# Allegro board 038RT-9068CJK8E-A100_0921_1.brd (continued)
## Routing (per net, layer and track width the routed paths; a pad name or vN(x,y) marks a point on that pad's centre or on a via; arc(x,y) is an arc through that point) (continued)
SH12_P7_ISOLATEB: length 24.4
  L11_SIGNAL w0.105: v2(450.94,47.88) 450.81,48.01 442.85,48.01 441.7,49.16 438.81,49.16 438.35,49.62 438.35,52.18 UNK1K220.7
  BOTTOM w0.115: UNK1RS114.2 438.94,48.24 438.29,48.9 438.29,52.25 UNK1K220.7
SH12_P7_LANWAKEB: length 95.3
  L11_SIGNAL w0.105: UNK1K212.7 376.63,55.22 376.63,59.19 378,60.55 445.07,60.55 445.88,59.74 445.88,51.26 448.24,48.9 451.37,48.9 451.57,48.69 451.57,45.97 v2(452.21,45.34)
SH12_P7_PCIE_RESETB: length 38.7
  TOP w0.115: v2(448.02,44.07) 453.03,39.05 458.87,39.05 459.6,38.33 UNK1HOST2.14
  L11_SIGNAL w0.105: v2(448.02,44.07) 447.48,44.6 442.27,44.6 440.33,46.54 433.14,46.54 432.31,47.37 432.31,52.02 UNK1K221.7
SH12_P7_REFCLK_100M+: length 165.2
  TOP w0.105: UNK1HOST2.61 464.31,45.52 465.56,46.77 465.56,48.67 v2(465.71,48.82)
  L03_SIGNAL w0.136: v1(473.9,187.79) 473.96,187.85 arc(474.01,187.88) 474.06,187.89 475.03,187.89 arc(475.11,187.87) 475.19,187.82 475.47,187.54 arc(475.52,187.47) 475.54,187.38 475.54,185.72 arc(475.52,185.63) 475.47,185.56 455.76,165.84 arc(455.61,165.62) 455.56,165.36 455.56,79.2 arc(456.08,76.59) 457.56,74.38 460.98,70.96 arc(461.42,70.29) 461.58,69.51 461.58,51.35 arc(461.61,50.99) 461.69,50.65 arc(461.77,50.47) 461.89,50.32 464.23,47.98 464.23,47.98 464.33,47.88 arc(464.33,47.87) 464.34,47.87 464.36,47.84 arc(464.82,47.63) 465.31,47.76 arc(465.48,48.01) 465.54,48.31 465.54,48.4 arc(465.58,48.63) v2(465.71,48.82)
  BOTTOM w0.105: v1(473.9,187.79) 473.8,187.88 472.75,187.88 470.5,190.13 469.69,190.13 UNK1K214.36
SH12_P7_REFCLK_100M-: length 165.2
  TOP w0.105: UNK1HOST2.62 463.91,45.78 465.1,46.96 465.1,48.67 v2(464.95,48.82)
  L03_SIGNAL w0.136: v1(473.9,188.45) 473.96,188.39 arc(474.01,188.35) 474.06,188.34 475.03,188.34 arc(475.29,188.29) 475.51,188.14 475.79,187.86 arc(475.94,187.64) 475.99,187.38 475.99,185.72 arc(475.94,185.46) 475.79,185.24 456.08,165.52 arc(456.03,165.45) 456.01,165.36 456.01,79.2 arc(456.49,76.77) 457.88,74.7 461.3,71.28 arc(461.84,70.46) 462.03,69.51 462.03,65.96 arc(462.05,65.86) 462.11,65.77 arc(462.23,65.49) 462.11,65.21 arc(462.03,65.02) 462.11,64.82 arc(462.23,64.54) 462.11,64.26 arc(462.05,64.17) 462.03,64.07 462.03,63.93 arc(462.05,63.82) 462.11,63.74 arc(462.23,63.46) 462.11,63.17 arc(462.05,63.09) 462.03,62.98 462.03,62.84 arc(462.05,62.74) 462.11,62.65 arc(462.23,62.37) 462.11,62.09 arc(462.05,62) 462.03,61.9 462.03,61.75 arc(462.05,61.65) 462.11,61.56 arc(462.23,61.28) 462.11,61 arc(462.05,60.91) 462.03,60.81 462.03,60.67 arc(462.05,60.56) 462.11,60.48 arc(462.23,60.19) 462.11,59.91 arc(462.05,59.82) 462.03,59.72 462.03,59.58 arc(462.05,59.48) 462.11,59.39 arc(462.23,59.11) 462.11,58.83 arc(462.05,58.74) 462.03,58.63 462.03,51.35 arc(462.05,51.06) 462.12,50.78 arc(462.16,50.71) 462.21,50.64 464.65,48.2 arc(464.85,48.12) 465.04,48.2 465.12,48.28 arc(465.15,48.32) 465.16,48.37 465.16,48.58 464.95,48.82 v2(464.95,48.82)
  BOTTOM w0.105: v1(473.9,188.45) 473.8,188.35 472.94,188.35 470.69,190.6 469.69,190.6 UNK1K214.35
SH12_RSET: length 1.3
  TOP w0.115: UNK1HOST2.51 469.34,43.53 v2(469.99,44.18)
SH12_RST_INPIN: length 9.1
  TOP w0.115: v2(456.31,49.33) 457.79,47.85 457.79,44.2 459.26,42.73 UNK1HOST2.3
SH12_SJTCLK: length 51
  L05_SIGNAL w0.105: v2(429.46,16.9) 429.46,34.44 444.18,49.15 455.28,49.15 456.02,48.41 v2(456.02,47.88)
SH12_SJTDI: length 50.3
  L05_SIGNAL w0.105: v2(456.02,45.34) 455.45,45.91 455.45,48 454.99,48.46 445.22,48.46 432,35.24 v2(432,16.9)
SH12_SJTDO/LED0: length 39.8
  L05_SIGNAL w0.105: v2(453.48,45.34) 452.82,45.99 445.3,45.99 438.05,38.74 438.05,19 v2(437.08,18.03)
SH12_SJTMS: length 43.2
  L05_SIGNAL w0.105: v2(453.48,47.88) 452.82,47.22 445.35,47.22 436.23,38.1 436.23,24.24 434.54,22.54 v2(434.54,16.9)
SH12_SPICK: length 54.5
  TOP w0.115: v2(434.55,25.85) 434.54,25.86 UNK1SPIH21.6 ; UNK1HOST2.19 461.91,34.6 460.9,33.58 460.9,28.4 v2(462.24,27.05)
  L03_SIGNAL w0.145: v2(434.55,25.85) 436.03,25.85 436.38,25.5 436.38,24.73 435.94,24.29 433.78,24.29 433.44,23.95 433.44,23.41 433.76,23.1 438.65,23.1 441.6,20.14 458.12,20.14 462.24,24.26 v2(462.24,27.05)
SH12_SPICK_DBG: length 12.1
  BOTTOM w0.115: UNK1RH2192.2 468.83,18.73 468.2,19.37 465.66,19.37 462.24,22.79 UNK1RH219.1
SH12_SPICS: length 54.5
  TOP w0.115: v2(436.81,47.76) 437.09,47.49 UNK1SPIH21.1 ; v2(464.78,27.05) 463.44,28.4 463.44,33.07 463.91,33.55 UNK1HOST2.24
  L03_SIGNAL w0.145: v2(464.78,27.05) 462.02,29.82 461.04,29.82 460.26,30.6 459.28,30.6 452.18,37.7 446.87,37.7 v2(436.81,47.76)
SH12_SPICS_DBG: length 14.2
  BOTTOM w0.115: UNK1RH2243.2 471.31,20.64 466.93,20.64 464.78,22.79 UNK1RH2241.1
SH12_SPIO2: length 54.5
  TOP w0.115: v2(462.24,30.86) 461.53,31.57 461.53,33.45 462.71,34.64 UNK1HOST2.21 ; UNK1SPIH21.3 434.55,47.75 v2(434.54,47.76)
  L03_SIGNAL w0.145: v2(462.24,30.86) 461.29,31.82 461.29,33.54 461.68,33.94 461.68,36.44 460.19,37.93 460.19,39.24 457.53,41.89 444.62,41.89 441.67,44.84 441.67,46.27 439.14,48.81 435.59,48.81 v2(434.54,47.76)
SH12_SPIO3: length 54.5
  TOP w0.115: UNK1HOST2.22 463.11,34.27 462.24,33.4 v2(462.24,32.13) ; v2(435.81,21.09) 435.81,21.09 UNK1SPIH21.7
  L03_SIGNAL w0.145: v2(435.81,21.09) 435.81,21.67 436.36,22.22 438.06,22.22 441.16,19.12 458.78,19.12 465.4,25.74 465.4,28.97 v2(462.24,32.13)
SH12_SPISI: length 54.5
  TOP w0.115: UNK1SPIH21.5 433.27,25.86 v2(433.28,25.85) ; UNK1HOST2.18 461.51,34.96 460.26,33.71 460.26,27.76 v2(460.97,27.05)
  L03_SIGNAL w0.145: v2(433.28,25.85) 433.28,29.69 433.99,30.4 437.45,30.4 438.4,29.45 438.4,25.54 442.65,21.29 457.07,21.29 460.97,25.19 v2(460.97,27.05)
SH12_SPISI_DBG: length 10.4
  BOTTOM w0.115: UNK1RH2182.2 465.72,18.03 460.97,22.79 UNK1RH218.1
SH12_SPISO: length 54.5
  TOP w0.115: v2(463.51,27.05) 462.87,27.69 462.87,33.27 463.51,33.91 UNK1HOST2.23 ; v2(435.81,43.06) 435.82,43.05 UNK1SPIH21.2
  L03_SIGNAL w0.145: v2(463.51,27.05) 462.09,28.47 457.8,28.47 450.88,35.38 436.66,35.38 435.65,36.4 435.65,37.87 438.3,40.53 438.3,42.35 437.59,43.06 v2(435.81,43.06)
SH12_SPISO_DBG: length 13
  BOTTOM w0.115: UNK1RH2232.2 469.4,20 466.29,20 463.51,22.79 UNK1RH223.1
SH12_SWR_5TO1_OUT: length 2.7
  TOP w0.3: UNK1HOST2.16 457.86,37.53 v2(457.79,37.47)
  vias: v2(456.52,37.47) v2(456.52,36.19) v2(457.79,36.19)
SH12_TESTENPIN: length 9.8
  TOP w0.115: UNK1HOST2.7 459.02,41.13 457.99,42.16 456.97,42.16 455.06,44.07 v2(454.75,44.07)
  BOTTOM w0.115: UNK1RH272.2 454.88,44.2 455.38,44.7 455.38,45.76 UNK1RH271.2
SH12_USB_AVDD10: length 33.5
  TOP w0.292: 469.68,37.53 UNK1HOST2.36
  TOP w0.3: UNK1HOST2.50 469.78,43.13 v2(469.99,42.91) ; UNK1HOST2.40 469.64,39.13 v2(469.99,39.48)
  TOP w0.381: 469.96,37.53 469.68,37.53
  TOP w0.508: 469.96,37.53 471.28,37.53 471.78,38.03 471.78,38.79 472.29,39.3 v2(472.64,39.3) 472.77,39.43 474.79,39.43 484.87,29.36 484.87,22.51 486.61,20.77 SH12_USB_AVDD10.1
SH12_XTAL_IN: length 6.4
  TOP w0.115: v2(470.68,47.5) 469.29,46.1 468.34,46.1 467.51,45.28 UNK1HOST2.53
  BOTTOM w0.115: UNK1YH21.3 470.68,48.29 v2(470.68,47.5)
SH12_XTAL_OUT: length 9.4
  TOP w0.115: UNK1HOST2.54 467.11,45.64 468.21,46.74 468.89,46.74 v2(469.65,47.5)
  BOTTOM w0.115: v2(469.65,47.5) 469.65,47.76 469.28,48.13 468.39,48.13 467.88,48.64 467.88,49.15 468.91,50.18 UNK1YH21.1
SH21_C_HSO+: length 4.1
  TOP w0.14: UNK2HOST1.68 289.45,431.62 289.45,431.06 290.78,429.73 290.78,428.55
  TOP w0.15: UNK2CH168.2 290.92,428.41 290.78,428.55
SH21_C_HSO-: length 4.1
  TOP w0.14: 290.39,428.55 290.39,429.57 289.06,430.89 289.06,431.62 UNK2HOST1.67
  TOP w0.15: UNK2CH167.2 290.25,428.41 290.39,428.55
SH21_C_P6_HSI+: length 7.6
  BOTTOM w0.14: UNK2K213.38 249.22,252.77 248.44,252.77 248.3,252.91 248.3,255.01 247.29,256.02 244.68,256.02 244.54,256.16 UNK2CS104.1
SH21_C_P6_HSI-: length 7.6
  BOTTOM w0.14: UNK2K213.37 249.22,252.38 248.28,252.38 247.91,252.75 247.91,254.85 247.13,255.63 244.68,255.63 244.54,255.49 UNK2CS103.1
SH21_CC1: length 7.2
  TOP w0.115: UNK2HOST1.30 284.66,440.81 283.78,441.68 281.69,441.68 280,443.37 v2(280,444.06)
SH21_CC2: length 7.3
  TOP w0.115: UNK2HOST1.32 283.86,440.85 283.56,441.15 281.47,441.15 278.73,443.88 v2(278.73,444.06)
SH21_D_GPIO_VBUS: length 13.9
  TOP w0.115: UNK2HOST1.28 285.46,442.88 285.16,443.18 285.16,446.48 282.52,449.12 v2(281.87,449.12)
  L40_SIGNAL w0.105: v2(281.87,449.12) 281.3,449.69 281.3,451.09 v2(281.87,451.66)
SH21_D_SJTCLK: length 7.6
  TOP w0.115: UNK2HOST1.5 291.48,434.24 292.73,432.99 293.11,432.99 293.81,432.3 293.81,430.2 294.44,429.56 v2(294.95,429.56)
SH21_D_SJTDI: length 5.5
  TOP w0.115: v2(294.95,432.1) 293.56,433.5 292.86,433.5 291.71,434.64 UNK2HOST1.6
SH21_D_SJTDO: length 8.8
  TOP w0.115: v2(297.49,432.1) 297.49,432.42 294.89,435.03 293.24,435.03 292.48,435.79 291.14,435.79 291.09,435.84 UNK2HOST1.9
SH21_D_SJTMS: length 10.6
  TOP w0.115: UNK2HOST1.8 292.19,435.44 293.11,434.52 294.54,434.52 296.8,432.25 296.8,430.26 v2(297.49,429.56)
SH21_DEV_SLP: length 15.4
  BOTTOM w0.115: UNK2RH1263.2 278.01,454.9 283.09,454.9 284.16,453.83 284.16,451.02 UNK2RH1262.2
SH21_DIS_DB: length 1.3
  TOP w0.115: UNK2HOST1.29 285.06,439.29 v2(285.4,438.95)
SH21_GPIO8: length 33.4
  L05_SIGNAL w0.105: v2(307.54,458.39) 307.54,433.62 305.48,431.56 300.75,431.56 v2(300.03,430.83)
SH21_GPIO_VBUS: length 18.8
  L05_SIGNAL w0.105: v2(281.87,450.39) 289.38,450.39 v2(297.38,458.39)
SH21_ISOLATEBPIN: length 14
  TOP w0.115: v2(300.03,429.56) 299.36,430.24 299.36,432.46 295.78,436.04 293.49,436.04 293.05,436.49 291.71,436.49 291.16,437.04 UNK2HOST1.12
SH21_L_SWR_5TO1_OUT: length 29.1
  TOP w0.203: v2(291.63,430.83) 291.89,430.83 292.27,431.21 292.27,432.18 291.4,433.04 UNK2HOST1.2
  TOP w0.3: UNK2HOST1.35 281.77,439.04 281.33,439.49 v2(280.97,439.49) ; UNK2HOST1.60 286.26,430.9 285.94,430.58 v2(285.68,430.58) ; UNK2HOST1.11 v2(289.36,436.64) ; UNK2HOST1.63 287.46,430.07 v2(287.21,429.82) ; UNK2HOST1.55 284.26,430.86 v2(284.54,430.58) ; UNK2HOST1.25 v2(286.66,438.95)
  TOP w0.508: SH21_L_SWR_5TO1_OUT.1 309.72,439.49 304.9,434.68 302.66,434.68 v2(301.67,435.67)
  BOTTOM w0.292: UNK2CH1352.1 v2(280.97,439.49)
  BOTTOM w0.508: v2(285.68,430.58) 285.92,430.34 UNK2CH1602.1 ; UNK2CH1552.1 284.68,430.44 v2(284.54,430.58)
  vias: v2(267.13,430.68) v2(268.4,430.68) v2(269.67,430.68) v2(277.73,441.63) v2(286.58,421.69) v2(286.58,420.93) v2(292.16,448.68) v2(301.67,436.43)
SH21_LANWAKEB: length 13.9
  TOP w0.115: v2(298.76,432.1) 298.25,432.61 298.25,432.61 295.33,435.53 293.36,435.53 292.73,436.17 291.28,436.17 291.21,436.24 UNK2HOST1.10
  BOTTOM w0.115: UNK2RH1103.2 299.4,430.41 299.4,431.47 299.9,431.97 ; 299.9,431.97 UNK2RH1102.2 ; 299.9,431.97 UNK2RH1101.2
SH21_LDO_5TO3_OUT: length 21.8
  TOP w0.203: v2(291.63,431.98) 290.97,432.64 UNK2HOST1.1
  TOP w0.3: v2(280.97,437.84) 280.97,437.74 281.27,437.44 UNK2HOST1.39 ; v2(283.11,438.95) 283.06,439.01 UNK2HOST1.34 ; UNK2HOST1.20 v2(288.66,438.95) ; UNK2HOST1.52 v2(283.06,432.74) ; UNK2HOST1.4 v2(289.36,433.84)
  TOP w0.508: v2(292.16,446.46) 293.16,445.45 294.12,445.45 294.48,445.81 294.48,452.32 297.38,455.22 SH21_LDO_5TO3_OUT.1
  BOTTOM w0.508: UNK2CH152.1 v2(283.06,432.74)
  vias: v2(277.73,439.6) v2(281.64,444.06) v2(281.87,452.93) v2(283.4,452.93) v2(284.92,452.93) v2(291.03,422.83) v2(294.66,425.41) v2(296.22,428.29) v2(298.76,428.29) v2(301.43,430.83) v2(302.95,430.83) v2(304.35,432.1) v2(305.11,432.1)
SH21_LED1: length 16.4
  BOTTOM w0.115: UNK2RH1272.2 282.63,451.02 282.63,453.77 282.14,454.27 276.1,454.27 UNK2RH1273.2
SH21_P6_CLKREQB: length 33.7
  TOP w0.115: v2(301.43,432.1) 296.98,436.55 293.56,436.55 293.3,436.8 291.9,436.8 291.26,437.44 UNK2HOST1.13
  L11_SIGNAL w0.105: UNK2K211.2 315.61,423.75 313.5,423.75 312.62,424.63 312.62,426.29 307.36,431.55 301.99,431.55 v2(301.43,432.1)
SH21_P6_HSI+: length 230.5
  TOP w0.14: UNK2HOST1.64 287.86,431.62 287.86,426.66 arc(287.84,426.54) 287.77,426.44 284.79,423.45 arc(284.64,423.23) 284.58,422.96 284.58,415.04 arc(284.56,414.92) 284.49,414.82 284.19,414.52 arc(284.09,414.46) 283.98,414.43 283.95,414.43 arc(283.8,414.4) 283.68,414.32 arc(283.6,414.2) 283.57,414.05 283.57,414.02 arc(283.55,413.91) 283.48,413.81 283.4,413.73 arc(283.3,413.66) 283.19,413.64 283.16,413.64 arc(283.01,413.61) 282.89,413.53 282.89,413.53 arc(282.81,413.4) 282.78,413.26 282.78,413.23 arc(282.75,413.12) 282.69,413.02 282.61,412.94 arc(282.51,412.87) 282.39,412.85 282.37,412.85 arc(282.22,412.82) 282.1,412.74 282.1,412.74 arc(282.01,412.61) 281.98,412.47 281.98,412.44 arc(281.96,412.32) 281.9,412.23 281.81,412.14 arc(281.72,412.08) 281.6,412.06 281.57,412.06 arc(281.43,412.03) 281.3,411.95 281.3,411.94 arc(281.22,411.82) 281.19,411.67 281.19,411.65 arc(281.17,411.53) 281.1,411.44 281.02,411.35 arc(280.92,411.29) 280.81,411.26 280.78,411.26 arc(280.64,411.24) 280.51,411.15 280.51,411.15 arc(280.43,411.03) 280.4,410.88 280.4,410.85 arc(280.38,410.74) 280.31,410.64 265.11,395.45 arc(264.96,395.22) 264.91,394.95 264.91,328.01 arc(264.89,327.89) 264.82,327.79 250.92,313.89 arc(248.5,312.28) 245.64,311.71 241.91,311.71 arc(240.25,311.38) 238.84,310.43 221.48,293.07 arc(220.68,291.88) 220.4,290.46 220.4,262.13 arc(220.45,261.86) 220.6,261.63 222.09,260.15 arc(222.31,260) 222.58,259.94 225.11,259.94 arc(225.23,259.92) 225.33,259.85 227.11,258.07 arc(227.33,257.92) 227.6,257.87 243.47,257.87 arc(243.59,257.85) 243.69,257.78 244.38,257.09 arc(244.45,256.99) 244.47,256.87 244.47,256.2 arc(244.42,256.07) 244.29,256.02 244.18,256.02 arc(243.94,256.06) 243.74,256.2 v1(243.53,256.41)
SH21_P6_HSI-: length 230.5
  TOP w0.14: v1(243.53,255.24) 243.74,255.44 arc(243.94,255.58) 244.19,255.63 244.29,255.63 arc(244.69,255.8) 244.86,256.2 244.86,256.87 arc(244.81,257.14) 244.65,257.36 243.96,258.05 arc(243.74,258.21) 243.47,258.26 227.6,258.26 arc(227.48,258.28) 227.38,258.35 225.61,260.13 arc(225.38,260.28) 225.11,260.33 222.58,260.33 arc(222.46,260.36) 222.36,260.42 220.88,261.91 arc(220.81,262.01) 220.79,262.13 220.79,290.19 220.79,290.46 arc(221.04,291.73) 221.75,292.8 239.11,310.16 arc(240.4,311.02) 241.91,311.32 245.64,311.32 arc(248.65,311.92) 251.19,313.62 265.09,327.52 arc(265.25,327.74) 265.3,328.01 265.3,394.95 arc(265.32,395.07) 265.39,395.17 284.77,414.55 arc(284.92,414.77) 284.97,415.04 284.97,422.96 arc(285,423.08) 285.06,423.18 288.05,426.16 arc(288.2,426.39) 288.25,426.66 288.25,431.62 UNK2HOST1.65
SH21_P6_HSO+: length 234.2
  TOP w0.14: UNK2CH168.1 291,427.41 arc(290.92,427.4) 290.86,427.35 290.84,427.33 arc(290.79,427.27) 290.78,427.19 290.78,425.8 arc(290.72,425.54) 290.57,425.31 289.71,424.45 arc(289.64,424.35) 289.62,424.23 289.62,416.67 arc(289.57,416.4) 289.41,416.17 284.26,411.02 267.27,394.03 arc(267.2,393.93) 267.18,393.81 267.18,327.49 arc(267.12,327.22) 266.97,326.99 251.86,311.88 arc(248.46,309.61) 244.45,308.81 241.98,308.81 arc(240.4,308.5) 239.07,307.61 223.29,291.83 arc(222.77,291.05) 222.59,290.13 222.59,262.83 arc(222.64,262.58) 222.78,262.37 223.1,262.05 arc(223.31,261.91) 223.56,261.86 225.86,261.86 arc(226.13,261.81) 226.36,261.66 227.81,260.2 arc(227.92,260.13) 228.03,260.11 244.67,260.11 arc(244.94,260.06) 245.17,259.9 247.61,257.46 arc(247.76,257.24) 247.81,256.97 247.81,254.27 arc(247.69,253.89) 247.36,253.66 247.33,253.63 246.53,253.63 arc(246.45,253.61) 246.39,253.57 v1(246.31,253.49)
  BOTTOM w0.14: v1(246.31,253.49) 246.45,253.63 246.79,253.63 247.12,253.29 247.12,252.41 248.16,251.38 249.22,251.38 UNK2K213.35
SH21_P6_HSO-: length 234.2
  TOP w0.14: v1(246.31,254.15) 246.39,254.08 arc(246.45,254.03) 246.53,254.02 247.17,254.02 arc(247.21,254.02) 247.24,254.03 arc(247.37,254.12) 247.42,254.27 247.42,256.97 arc(247.4,257.09) 247.33,257.19 244.89,259.63 arc(244.79,259.7) 244.67,259.72 228.03,259.72 arc(227.77,259.77) 227.54,259.92 226.08,261.38 arc(225.98,261.45) 225.86,261.47 223.56,261.47 arc(223.16,261.55) 222.82,261.78 222.5,262.09 arc(222.28,262.43) 222.2,262.83 222.2,290.13 arc(222.41,291.2) 223.02,292.1 238.8,307.88 arc(240.25,308.86) 241.97,309.2 244.45,309.2 arc(248.31,309.97) 251.58,312.15 266.7,327.27 arc(266.76,327.37) 266.79,327.49 266.79,393.81 arc(266.84,394.08) 266.99,394.3 284.05,411.36 arc(284.09,411.41) 284.1,411.48 284.1,411.56 arc(284.13,411.71) 284.21,411.83 284.21,411.83 arc(284.34,411.91) 284.48,411.94 284.51,411.94 arc(284.62,411.97) 284.72,412.03 284.8,412.11 arc(284.87,412.21) 284.89,412.33 284.89,412.35 arc(284.92,412.5) 285,412.62 285,412.62 arc(285.13,412.71) 285.27,412.74 285.3,412.74 arc(285.42,412.76) 285.51,412.82 285.6,412.91 arc(285.66,413) 285.68,413.12 285.68,413.15 arc(285.71,413.29) 285.8,413.41 285.8,413.42 arc(285.92,413.5) 286.07,413.53 286.09,413.53 arc(286.21,413.55) 286.3,413.61 286.39,413.7 arc(286.45,413.79) 286.48,413.91 286.48,413.94 arc(286.5,414.08) 286.59,414.21 286.59,414.21 arc(286.71,414.29) 286.86,414.32 286.89,414.32 arc(287,414.34) 287.1,414.41 287.18,414.49 arc(287.24,414.59) 287.27,414.7 287.27,414.73 arc(287.3,414.88) 287.38,415 287.38,415 arc(287.5,415.08) 287.65,415.11 287.68,415.11 arc(287.79,415.13) 287.89,415.2 289.14,416.45 arc(289.21,416.55) 289.23,416.67 289.23,424.23 arc(289.28,424.5) 289.44,424.72 290.3,425.58 arc(290.36,425.69) 290.39,425.8 290.39,427.19 arc(290.37,427.27) 290.33,427.33 290.31,427.35 arc(290.24,427.4) 290.16,427.41 UNK2CH167.1
  BOTTOM w0.14: UNK2K213.36 249.22,251.77 248.32,251.77 247.51,252.57 247.51,253.45 246.95,254.02 246.45,254.02 v1(246.31,254.15)
SH21_P6_ISOLATEB: length 71.6
  L11_SIGNAL w0.105: v2(300.03,428.29) 299.45,427.71 292.63,427.71 289.54,424.61 289.54,417.5 288.6,416.56 251.41,416.56 250.17,417.8 250.17,420.98 UNK2K220.2
  BOTTOM w0.115: UNK2RS104.2 248.89,427.93 250.06,426.76 250.06,423.65 UNK2K220.2
SH21_P6_LANWAKEB: length 15.5
  L11_SIGNAL w0.105: UNK2K212.2 302.93,430.23 299.37,430.23 v2(298.76,430.83)
SH21_P6_PCIE_RESETB: length 71.3
  TOP w0.115: v2(302.95,432.1) 297.94,437.12 292.09,437.12 291.37,437.84 UNK2HOST1.14
  L11_SIGNAL w0.102: 292.16,431.44 284.23,431.44 283.24,430.45
  L11_SIGNAL w0.105: v2(302.95,432.1) 302.22,432.84 300.18,432.84 298.78,431.44 292.16,431.44 ; UNK2K221.2 256.03,421.32 259.05,421.32 260.2,422.47 260.2,427.57 261.74,429.11 277.01,429.11 277.8,429.89 282.68,429.89 283.24,430.45
SH21_P6_REFCLK_100M+: length 210.7
  TOP w0.105: v2(285.26,427.36) 285.41,427.5 285.41,429.41 286.66,430.65 UNK2HOST1.61
  L03_SIGNAL w0.136: v1(224.1,256.15) 224.16,256.09 arc(224.21,256.06) 224.26,256.05 224.84,256.05 arc(225.18,256.12) 225.47,256.31 225.6,256.44 arc(225.66,256.53) 225.68,256.64 225.68,257.45 arc(225.65,257.63) 225.55,257.77 221.83,261.49 arc(221.42,262.1) 221.28,262.83 221.28,289.12 arc(221.76,291.55) 223.13,293.6 240.05,310.52 arc(241.36,312.47) 241.81,314.77 241.81,371.82 arc(242.82,376.87) 245.67,381.14 280.19,415.66 arc(280.27,415.77) 280.29,415.9 280.29,415.93 arc(280.4,416.19) 280.66,416.3 280.77,416.3 arc(280.83,416.31) 280.87,416.34 281,416.47 arc(281.04,416.53) 281.06,416.61 281.06,416.78 arc(281.07,416.83) 281.1,416.88 281.19,416.97 arc(281.3,417.04) 281.43,417.07 281.53,417.07 arc(281.59,417.08) 281.65,417.12 281.78,417.25 arc(281.82,417.3) 281.83,417.36 281.83,417.46 arc(281.94,417.73) 282.2,417.84 282.23,417.84 arc(282.36,417.86) 282.47,417.94 282.51,417.98 arc(282.58,418.08) 282.6,418.19 282.6,418.23 arc(282.71,418.5) 282.97,418.6 283.05,418.6 arc(283.13,418.62) 283.2,418.67 283.27,418.74 arc(283.34,418.85) 283.37,418.98 283.37,419 arc(283.48,419.27) 283.74,419.37 283.83,419.37 arc(283.9,419.39) 283.96,419.43 284.01,419.47 arc(285.05,421.03) 285.41,422.87 285.41,427.1 285.41,427.17 arc(285.38,427.22) 285.35,427.27 v2(285.26,427.36)
  BOTTOM w0.105: UNK2K214.38 227.05,252.8 226.53,252.8 226.35,252.99 226.35,254.69 226.35,255.07 225.37,256.05 224.2,256.05 v1(224.1,256.15)
SH21_P6_REFCLK_100M-: length 210.7
  TOP w0.105: UNK2HOST1.62 287.06,430.4 285.87,429.21 285.87,427.5 v2(286.02,427.36)
  L03_SIGNAL w0.136: v2(286.02,427.36) 285.94,427.27 arc(285.9,427.22) 285.88,427.17 285.87,427.1 285.87,422.87 arc(285.47,420.86) 284.33,419.15 284.31,419.13 280.51,415.34 280.51,415.34 245.99,380.82 arc(243.23,376.69) 242.27,371.82 242.27,371.82 242.27,314.77 arc(241.77,312.3) 240.37,310.2 223.45,293.28 arc(222.18,291.37) 221.73,289.12 221.73,262.83 arc(221.84,262.28) 222.15,261.81 225.87,258.09 arc(226.06,257.8) 226.13,257.45 226.13,256.64 arc(226.08,256.36) 225.92,256.12 225.79,255.99 arc(225.35,255.7) 224.84,255.6 224.26,255.6 arc(224.21,255.59) 224.16,255.55 v1(224.1,255.49)
  BOTTOM w0.105: UNK2K214.37 227.05,252.34 226.34,252.34 225.88,252.8 225.88,254.88 225.17,255.59 224.2,255.59 v1(224.1,255.49)
SH21_RSET: length 1.3
  TOP w0.115: v2(280.97,431.99) 281.62,432.64 UNK2HOST1.51
SH21_RST_INPIN: length 9.1
  TOP w0.115: UNK2HOST1.3 291.71,433.44 293.17,431.98 293.17,428.33 v2(294.66,426.84)
SH21_SJTCLK: length 49.6
  L05_SIGNAL w0.105: v2(317.7,459.53) 317.7,437.37 310.74,430.42 310.21,430.42 306.93,427.13 296.11,427.13 v2(294.95,428.29)
SH21_SJTDI: length 48.6
  L05_SIGNAL w0.105: v2(294.95,430.83) 296.87,428.92 296.87,428.01 297.13,427.75 306.28,427.75 315.16,436.63 v2(315.16,459.53)
SH21_SJTDO/LED0: length 38.3
  L05_SIGNAL w0.105: v2(310.08,458.39) 310.08,452.2 309.3,451.42 309.3,434.21 305.25,430.16 298.16,430.16 v2(297.49,430.83)
SH21_SJTMS: length 42.1
  L05_SIGNAL w0.105: v2(297.49,428.29) 298.13,428.93 305.07,428.93 313.24,437.09 313.24,458.91 v2(312.62,459.53)
SH21_SPICK: length 54.5
  TOP w0.115: v2(288.73,449.12) 290.07,447.78 290.07,442.59 289.06,441.58 UNK2HOST1.19 ; v2(316.43,450.31) UNK2SPIH11.6
  L03_SIGNAL w0.145: v2(316.43,450.31) 316.42,450.32 314.94,450.32 314.59,450.67 314.59,451.45 315.03,451.88 317.19,451.88 317.53,452.22 317.53,452.76 317.21,453.07 312.32,453.07 309.37,456.03 292.84,456.03 288.73,451.91 v2(288.73,449.12)
SH21_SPICK_DBG: length 12.4
  BOTTOM w0.115: UNK2RH1192.2 282.14,457.44 282.77,456.81 285.31,456.81 288.73,453.39 UNK2RH119.1
SH21_SPICS: length 54.5
  TOP w0.115: UNK2HOST1.24 287.06,442.62 287.53,443.1 287.53,447.78 v2(286.19,449.12) ; v2(314.16,428.41) 313.88,428.69 UNK2SPIH11.1
  L03_SIGNAL w0.145: v2(286.19,449.12) 288.95,446.36 289.93,446.36 290.71,445.58 291.69,445.58 298.79,438.47 304.1,438.47 v2(314.16,428.41)
SH21_SPICS_DBG: length 14.3
  BOTTOM w0.115: UNK2RH1241.1 286.19,453.39 284.04,455.54 279.91,455.54 UNK2RH1243.2
SH21_SPIO2: length 54.5
  TOP w0.115: UNK2HOST1.21 288.26,441.54 289.44,442.72 289.44,444.6 v2(288.73,445.31) ; UNK2RH121.2 UNK2SPIH11.3
  L03_SIGNAL w0.145: v2(288.73,445.31) 289.68,444.36 289.68,442.64 289.29,442.24 289.29,439.74 290.78,438.24 290.78,436.94 293.44,434.28 306.34,434.28 309.3,431.33 309.3,429.9 311.83,427.36 315.38,427.36 v2(316.43,428.41)
SH21_SPIO3: length 55.8
  TOP w0.115: UNK2HOST1.22 287.86,441.9 288.73,442.77 v2(288.73,444.04) ; UNK2SPIH11.7 315.16,455.08 v2(315.16,455.08)
  L03_SIGNAL w0.145: v2(288.73,444.04) 285.56,447.21 285.56,450.43 292.19,457.06 309.81,457.06 312.91,453.96 314.61,453.96 315.16,454.5 v2(315.16,455.08) 316.43,455.08
SH21_SPISI: length 54.5
  TOP w0.115: v2(317.7,450.31) UNK2SPIH11.5 ; v2(290,449.12) 290.71,448.41 290.71,442.47 289.46,441.21 UNK2HOST1.18
  L03_SIGNAL w0.145: v2(290,449.12) 290,450.98 293.9,454.88 308.32,454.88 312.57,450.63 312.57,446.73 313.52,445.78 316.98,445.78 317.69,446.48 317.69,450.3 v2(317.7,450.31)
SH21_SPISI_DBG: length 10.5
  BOTTOM w0.115: UNK2RH1182.2 284.99,458.39 290,453.39 UNK2RH118.1
SH21_SPISO: length 55.3
  TOP w0.115: UNK2SPIH11.2 315.15,433.12 v2(315.16,433.11) ; v2(287.46,449.12) 288.1,448.48 288.1,442.91 287.46,442.26 UNK2HOST1.23
  L03_SIGNAL w0.145: v2(287.46,449.12) 288.88,447.7 293.17,447.7 300.09,440.79 314.3,440.79 315.32,439.78 315.32,438.3 312.67,435.65 312.67,433.82 313.38,433.11 ; v2(315.16,433.11) 313.38,433.11 ; 313.38,433.11 312.62,433.11
SH21_SPISO_DBG: length 13.1
  BOTTOM w0.115: UNK2RH1232.2 281.82,456.17 284.68,456.17 287.46,453.39 UNK2RH123.1
SH21_SWR_5TO1_OUT: length 2.7
  TOP w0.3: v2(293.17,438.71) 293.11,438.64 UNK2HOST1.16
  vias: v2(293.17,439.98) v2(294.44,439.98) v2(294.44,438.71)
SH21_TESTENPIN: length 9.8
  TOP w0.115: UNK2HOST1.7 291.95,435.04 292.98,434.01 294,434.01 295.9,432.1 v2(296.22,432.1)
  BOTTOM w0.115: UNK2RH172.2 296.09,431.97 295.59,431.47 295.59,430.41 UNK2RH171.2
SH21_USB_AVDD10: length 33.5
  TOP w0.292: 281.28,438.64 UNK2HOST1.36
  TOP w0.3: v2(280.97,436.69) 281.33,437.04 UNK2HOST1.40 ; v2(280.97,433.26) 281.19,433.04 UNK2HOST1.50
  TOP w0.381: 281.01,438.64 281.28,438.64
  TOP w0.508: 281.01,438.64 279.69,438.64 279.19,438.15 279.19,437.38 278.68,436.87 v2(278.33,436.87) 278.2,436.74 276.18,436.74 266.1,446.81 266.1,453.66 264.36,455.41 SH21_USB_AVDD10.1
SH21_XTAL_IN: length 6.4
  TOP w0.115: UNK2HOST1.53 283.46,430.9 282.63,430.07 281.68,430.07 v2(280.29,428.68)
  BOTTOM w0.115: UNK2YH11.3 280.29,427.88 v2(280.29,428.68)
SH21_XTAL_OUT: length 9.4
  TOP w0.115: UNK2HOST1.54 283.86,430.53 282.76,429.44 282.08,429.44 v2(281.32,428.68)
  BOTTOM w0.115: UNK2YH11.1 282.06,425.99 283.09,427.02 283.09,427.53 282.58,428.04 281.69,428.04 281.32,428.41 v2(281.32,428.68)